# Altium PCB ESC.PcbDoc (part 2 of 3) (continued)
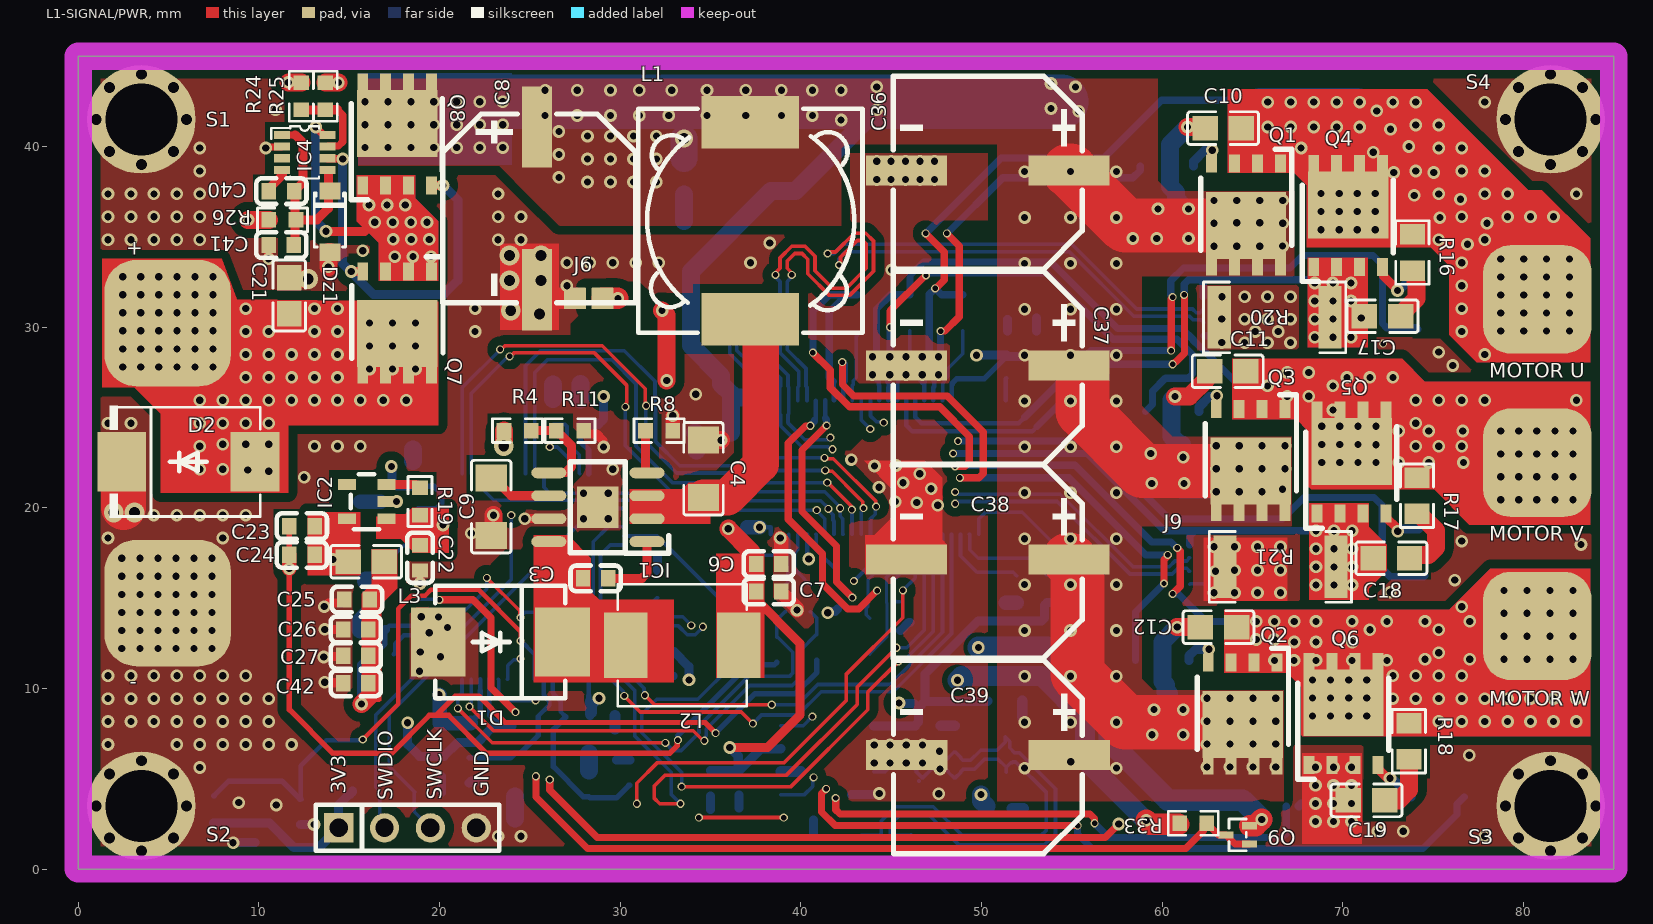
[diagram p0: L1-SIGNAL/PWR view]
## Nets (pads, with @x,y where several pads share a name; then routed paths per layer and width w, separated by ;. In a path a pad name is that pad's centre, name@x,y a point inside that pad or via, vN(x,y) a via of type N, cw(c..) or ccw(c..) an arc to the next point about the centre after c; other vN are vias at no path point) (continued)
  other v2: 78.74,20.448 79.74,20.448 80.74,20.448 81.74,20.448 82.74,20.448 78.74,21.718 79.74,21.718 80.74,21.718 81.74,21.718 82.74,21.718 78.74,22.988 79.74,22.988 80.74,22.988 81.74,22.988 82.74,22.988 78.74,24.258 79.74,24.258 80.74,24.258 81.74,24.258 82.74,24.258
  other v3: 68.834,22.511 69.834,22.511 70.834,22.511 71.834,22.511 71.834,23.495 68.834,23.511 69.834,23.511 70.834,23.511 68.834,24.511 69.834,24.511 70.834,24.511 71.834,24.511
SH_C: "MOTOR W.1" C12.1 C20.2 IC3.36 Q2.1 Q2.2 Q2.3 Q6.5 Q6.6 Q6.7 Q6.8 Q6.9 R18.2 | length 63.1
  L1-SIGNAL/PWR w0.4: v4(40.666,28.592) 41.633,27.625 41.633,26.646 42.689,25.59 47.689,25.59 49.324,23.955 49.324,22.523 49.09,22.288 v4@48.548,22.288 ; v4(60.579,15.24) 61.005,15.666 61.005,17.595 60.833,17.766 v4(60.833,17.78)
  L4-SIGNAL/PWR w0.2: v4(60.579,15.24) v4@60.591,15.228
  L4-SIGNAL/PWR w0.25: 41.799,26.998 41.833,26.963 41.833,25.949 IC3.36@41.839,25.943
  L4-SIGNAL/PWR w0.4: v4(40.666,28.592) 40.666,30.887 41.573,31.794 C20.2@42.525,31.794 ; 41.799,26.998 41.573,27.224 41.573,30.841 C20.2@42.525,31.794 ; C20.2@43.116,31.794 43.116,31.803 43.107,31.794 C20.2@42.525,31.794 ; v4(48.535,22.288) 48.548,22.288 48.612,22.352 55.181,22.352 59.424,18.109 60.49,18.109 60.819,17.78 v4(60.833,17.78) ; v4@60.591,15.228 60.909,15.228 62.42,13.716 v1(65.215,13.716)
  L4-SIGNAL/PWR w3: v1@65.977,12.573 80.613,12.573 81.47,13.43
  other v1: 75.311,8.17 76.581,8.17 77.851,8.17 79.121,8.17 80.391,8.17 81.661,8.17 82.931,8.17 72.771,9.44 74.041,9.44 75.311,9.44 76.581,9.44 77.851,9.44 79.121,9.44 80.391,9.44 81.661,9.44 82.931,9.44 72.771,10.71 74.041,10.71 75.311,10.71 76.581,10.71 66.215,11.557 67.297,11.557 68.516,11.557 70.517,11.557 72.44,11.557 74.549,11.62 77.025,11.62 75.311,11.98 67.31,12.573 68.516,12.573 70.517,12.573 65.215,12.716 66.215,12.716 71.501,13.25 75.311,13.25 66.215,13.716 67.31,13.716 68.516,13.716 70.517,13.716 72.44,13.716 74.549,13.716 77.025,13.716 76.581,14.52
  other v2: 78.93,11.62 80.2,11.62 81.47,11.62 82.74,11.62 78.93,12.89 80.2,12.89 81.47,12.89 82.74,12.89 78.93,14.16 80.2,14.16 81.47,14.16 82.74,14.16 78.93,15.43 80.2,15.43 81.47,15.43 82.74,15.43
  other v3: 68.326,8.477 69.326,8.477 70.326,8.477 71.326,8.477 68.326,9.477 69.326,9.477 70.326,9.477 71.326,9.477 68.326,10.477 69.326,10.477 70.326,10.477 71.326,10.477
SL_A: C17.1 IC3.44 J8.2 Q4.1 Q4.2 Q4.3 R20.2 | length 31
  L1-SIGNAL/PWR w0.4: v4(60.579,27.951) 60.593,27.951 60.721,28.079 60.758,28.079 61.237,28.558 61.237,31.729 61.227,31.739 61.227,31.779 v4(61.218,31.789)
  L4-SIGNAL/PWR w0.2: J8.2@62.271,31.668 J8.2@62.275,31.673
  L4-SIGNAL/PWR w0.25: IC3.44@45.839,25.943 45.839,24.565 46.157,24.246 52.821,24.246 53.075,24.5
  L4-SIGNAL/PWR w0.4: 53.075,24.5 56.526,27.951 v4(60.579,27.951) ; v4@61.218,31.803 61.218,32.385 61.46,32.627 62.106,32.627 ; J8.2@62.275,31.673 62.275,32.458 62.106,32.627 ; v1(68.453,32.448) 68.372,32.448 68.193,32.627 62.106,32.627
  other v1: 68.453,29.449 70.453,29.449 68.453,30.448 68.453,31.448 70.453,31.448 69.453,32.448 70.453,32.448
  other v2: 71.025,30.512
  other v3: 69.453,29.449 69.453,30.448 69.453,31.448
SL_B: C18.1 IC3.39 J9.2 Q5.1 Q5.2 Q5.3 R21.2 | length 29.6
  L2-PWR w0.4: v4(43.841,24.366) 43.854,24.366 44.127,24.094 47.343,24.094 v4@48.417,23.02
  L4-SIGNAL/PWR w0.2: IC3.39@43.339,25.943 43.354,25.928 43.354,24.853 v4(43.841,24.366)
  L4-SIGNAL/PWR w0.4: v4(48.426,23.01) 55.857,23.01 60.135,18.732 61.806,18.732 62.045,18.732 ; J9.2@61.531,17.945 61.531,18.438 61.806,18.713 ; 62.065,18.732 v1(68.516,18.732)
  other v1: 68.516,15.733 70.517,15.733 68.516,16.732 68.516,17.732 69.517,18.732 70.517,18.732
  other v3: 69.517,15.733 69.517,16.732 70.517,16.732 69.517,17.732 70.517,17.732
SL_C: IC3.34 J7.1 | length 56.1
  L1-SIGNAL/PWR w0.4: v4(40.525,24.545) 40.515,24.535 40.257,24.535 39.306,23.585 39.306,19.362 41.192,17.476 41.192,15.807 42.592,14.407 43.206,14.407 v4(44.221,15.422) ; v4(41.927,3.937) 41.934,3.93 41.934,3.282 42.168,3.048 56.002,3.048 56.251,2.798 56.251,2.55 v4(56.261,2.54)
  L2-PWR w0.4: v4(41.927,3.937) 41.927,4.005 42.608,4.686 42.608,13.242 42.895,13.529 42.895,14.096 v4(44.221,15.422)
  L4-SIGNAL/PWR w0.25: 40.758,24.853 40.833,24.928 IC3.34@40.833,25.937
  L4-SIGNAL/PWR w0.4: v4(40.525,24.545) 40.525,24.559 40.758,24.791 40.758,24.853 ; v4(56.261,2.54) 57.051,1.75 66.631,1.75 66.865,1.984 J7.1@66.865,3.492
SO1: C32.2 R22.2 U1.14 | length 26.6
  L1-SIGNAL/PWR w0.2: v4(21.66,8.998) 22.993,7.666 34.039,7.666 34.596,7.109 v4(34.663,7.109)
  L4-SIGNAL/PWR w0.2: v4(21.66,8.998) 21.66,9.066 21.761,9.167 U1.14@21.761,10.514 ; v4(34.663,7.109) 34.711,7.157 34.711,7.334 34.76,7.383 34.76,7.755 37.171,10.165 39.529,10.165 39.96,10.597 39.96,12.091 40.841,12.972 C32.2@40.891,12.972 40.891,13.892 40.542,14.242 R22.2@40.513,14.242
SO2: C33.2 R23.2 U1.15 | length 27.2
  L1-SIGNAL/PWR w0.2: v4(21.018,8.898) 22.925,6.991 v4(32.505,6.991)
  L4-SIGNAL/PWR w0.2: v4(21.018,8.898) 21.006,8.91 21.006,9.523 21.242,9.759 21.242,10.495 U1.15@21.261,10.514 ; v4(32.505,6.991) 32.926,6.57 33.381,6.57 34.36,7.549 34.36,7.921 37.107,10.668 39.37,10.668 39.56,10.858 39.56,12.003 38.719,12.845 C33.2@38.669,12.845 38.669,13.76 38.818,13.91 38.818,13.938 39.121,14.242 R23.2@39.15,14.242
TEMP: Q9.1 Q9.3 R33.1 U1.22 | length 57.4
  L1-SIGNAL/PWR w0.4: v4(19.993,14.908) 21.858,14.908 22.851,13.915 22.851,10.043 v4(24.204,8.691) ; v4(25.336,5.143) 25.336,4 28.187,1.15 61.305,1.15 62.272,2.117 62.272,2.498 62.285,2.511 R33.1@62.475,2.511 ; R33.1@62.475,2.54 R33.1@62.475,2.511 ; Q9.1@64.834,1.397 64.034,1.397 Q9.3@63.534,1.897 63.118,1.897 62.707,2.308 62.678,2.308 R33.1@62.475,2.511
  L2-PWR w0.4: v4(24.204,8.691) 24.204,8.624 24.329,8.499 24.329,8.492 25.336,7.484 v4(25.336,5.143)
  L4-SIGNAL/PWR w0.2: U1.22@18.811,14.964 18.83,14.945 19.956,14.945 v4(19.993,14.908)
TX: IC5.1 U1.62 | length 21.9
  L2-PWR w0.2: v4(34.581,13.416) 34.598,13.399 40.196,13.399 41.278,12.316 41.278,5.655 v4(40.703,5.08)
  L4-SIGNAL/PWR w0.2: U1.62@30.211,13.464 33.224,13.464 33.72,12.968 34.151,12.968 34.581,13.397 v4(34.581,13.416) ; IC5.1@38.895,4.128 40.202,4.128 40.656,4.581 40.656,5.032 v4(40.703,5.08)
V_5V: C6.2 C7.2 C22.2 C48.2 C49.2 IC2.1 IC5.3 L2.2 R4.2 R19.2 | length 47.3
  L1-SIGNAL/PWR w0.5: IC2.1@17.067,19.399 18.695,19.399 18.891,19.596 R19.2@18.92,19.596 ; v1(36.068,6.731) 38.149,6.731 39.965,8.547 39.965,12.489 C7.2@37.274,15.18
  L1-SIGNAL/PWR w1: v10(23.558,23.431) 23.567,23.44 R4.2@23.567,24.272 ; v1(35.985,18.845) 37.274,17.556 37.274,16.891 C7.2@37.274,15.18
  L2-PWR w1: v1(20.193,19.05) 20.574,19.05 23.558,22.034 v10(23.558,23.431) 23.586,23.431 24.602,24.447 32.004,24.447 35.941,20.511 35.941,18.889 v1(35.985,18.845)
  L4-SIGNAL/PWR w0.5: C49.2@34.988,5.462 36.498,5.462 36.598,5.462 37.786,6.651 38.879,6.651 IC5.3@38.895,6.668 ; v1(36.068,6.731) 36.536,6.263 C48.2@36.536,5.5
VDD_SPI: 3V3.1 C1.2 C2.2 C25.2 C26.2 C27.2 C42.2 C43.2 C44.2 C45.2 C46.2 C47.2 C50.2 D3.2 D4.1 IC3.49 IC5.5 L3.2 R9.2 R10.1 R27.2 R32.2 U1.1 U1.19 U1.32 U1.48 U1.64 | length 210
  L1-SIGNAL/PWR w1: v1(15.684,9.144) 16.192,9.652 C27.2@16.192,11.901 ; v1(32.322,30.924) 32.575,30.67 v1(32.575,27.051)
  L2-PWR w0.5: 17.335,21.528 v1(17.335,22.288) ; v1(28.829,9.461) 28.829,10.096 ; v1(29.083,26.162) 29.083,27.051 ; 33.782,11.684 33.782,10.502 v1(33.807,10.477)
  L2-PWR w0.7: 28.829,10.096 28.829,10.668
  L2-PWR w0.9: 28.765,11.684 28.829,11.62 28.829,10.668
  L2-PWR w1: 3V3.1@14.414,2.286 14.414,4.445 ; v1(15.684,9.144) 15.367,9.144 14.414,8.191 ; 28.765,11.684 33.782,11.684 38.975,11.684 39.56,11.098 39.56,5.588 35.422,1.45 ; v1(32.322,30.924) 48.069,30.924 49.721,29.273 v1(49.721,28.448) ; v1(32.575,27.051) 29.083,27.051 24,27.051 18.348,21.399 14.097,21.399 10.16,17.462 10.16,12.128 14.256,8.033 14.414,8.191 ; v1(45.436,9.2) 46.057,9.2 47.686,7.571 48.803,7.571 49.974,6.399 v1(49.974,4.127) 49.974,3.888 47.537,1.45 35.422,1.45 ; 14.414,4.445 23.614,4.445 26.609,1.45 35.422,1.45 ; 14.414,4.445 14.414,8.191
  L4-SIGNAL/PWR w0.25: C47.2@17.019,13.272 17.212,13.464 U1.19@18.811,13.464 ; 28.258,9.588 28.258,10.511 U1.1@28.261,10.514 ; U1.64@30.211,12.464 31.115,12.464 ; IC3.49@48.339,25.943 48.345,25.949 48.345,26.807 48.387,26.849
  L4-SIGNAL/PWR w0.3: C46.2@18.542,21.191 19.703,21.191 20.13,20.765 20.13,20.256 19.837,19.964 U1.32@18.811,19.964 ; C45.2@27.812,24.613 27.812,23.651 28.261,23.202 U1.48@28.261,21.891 ; 28.258,9.335 28.258,9.588 ; C44.2@32.065,12.063 C44.2@32.085,12.083 ; 48.387,26.849 48.387,26.901 48.636,27.151 50.164,27.151 51.396,28.383 C1.2@51.446,28.383
  L4-SIGNAL/PWR w0.4: 28.258,9.335 28.258,8.571 C43.2@28.32,8.509 ; 31.115,12.464 31.654,12.464 32.055,12.063 C44.2@32.065,12.063
  L4-SIGNAL/PWR w0.5: R27.2@7.493,2.558 10.583,2.558 11.94,1.2 13.329,1.2 3V3.1@14.414,2.286 14.42,2.292 14.42,3.553 15.003,4.136 15.032,4.136 15.185,4.289 R32.2@15.185,4.318 ; v1(15.684,9.144) 15.684,11.303 16.881,12.499 16.881,13.133 C47.2@17.019,13.272 ; v1(17.335,22.288) 17.359,22.265 17.359,21.505 17.652,21.212 18.521,21.212 C46.2@18.542,21.191 ; C45.2@27.812,24.613 28.002,24.613 28.012,24.622 28.79,24.622 29.083,24.915 v1(29.083,26.162) ; C43.2@28.32,8.509 28.47,8.659 28.47,9.102 v1(28.829,9.461) ; C44.2@32.085,12.083 32.114,12.054 32.967,12.054 33.807,11.215 v1(33.807,10.477) ; IC5.5@44.036,7.938 C50.2@46.354,7.937 46.354,7.987 46.504,8.137 46.504,8.93 ; v1(45.436,9.2) 45.474,9.161 46.272,9.161 46.504,8.93 ; 46.711,9.137 46.504,8.93 ; v1(49.721,28.448) 51.382,28.448 C1.2@51.446,28.383 C2.2@53.054,28.383 ; D4.1@50.359,9.313 50.338,9.292 46.884,9.292 46.884,10.812 49.82,13.748 53.326,13.748 53.476,13.898 53.476,14.602 53.63,14.755 R9.2@53.658,14.755 R10.1@55.182,14.755
  L4-SIGNAL/PWR w1: v1(49.974,4.127) 49.974,3.78 D3.2@50.27,3.485
pads on no net: IC2.4 IC3.1 IC3.2 IC3.3 IC3.4 IC3.50 IC3.51 IC3.52 IC3.53 IC3.54 IC3.56 IC4.3 U1.2 U1.3 U1.4 U1.8 U1.9 U1.16 U1.17 U1.21 U1.23 U1.24 U1.25 U1.26 U1.27 U1.29 U1.30 U1.33 U1.37 U1.38 U1.39 U1.40 U1.44 U1.45 U1.50 U1.54 U1.55 U1.56 U1.57 U1.58 U1.59 U1.63

## Polygon pours and split planes (outlines as drawn)
GND on L1-SIGNAL/PWR "GND_L01_P006" (solid, pour order 6): 0,45 85,45 85,0 0,0
POWER_LOAD on L1-SIGNAL/PWR "POWER_LOAD_L01_P003" (solid, pour order 3): 15.494,38.925 15.494,44.069 59.755,44.069 59.755,38.098 60.325,37.529 67.31,37.529 67.31,32.829 58.864,32.829 58.864,25.654 60.579,23.939 67.183,23.939 67.183,18.986 58.864,18.986 58.864,10.541 59.499,9.906 66.739,9.906 66.739,3.746 50.863,3.746 50.863,40.132 42.481,40.132 42.227,39.878 42.227,35.623 26.607,35.623 23.304,38.925
GND on L1-SIGNAL/PWR "GND_L01_P007" (solid, pour order 7): 62.452,32.385 62.452,28.829 67.12,28.829 67.31,29.019 67.31,32.194 67.12,32.385
GND on L2-PWR "GND_L02_P004" (solid, pour order 4): 0,45 85,45 85,0 0,0
POWER_LOAD on L2-PWR "POWER_LOAD_L02_P000" (solid, pour order 0): 15.494,38.925 15.494,44.069 59.817,44.069 59.817,38.036 60.325,37.529 67.31,37.529 67.31,32.627 59.753,32.627 59.753,24.765 60.579,23.939 67.183,23.939 67.183,18.859 59.499,18.859 59.499,9.906 66.739,9.906 66.739,3.492 51.371,3.492 51.371,35.814 26.416,35.814 23.304,38.925
GND on L4-SIGNAL/PWR "GND_L04_P005" (solid, pour order 5): 0,45 85,45 85,0 0,0
GND on L3-GND (split plane): 84.49,0.51 0.51,0.51 0.51,44.49 84.49,44.49

## Keep-outs
Keep-Out Layer:
  the board outline again, w1.5

## Other copper
L1-SIGNAL/PWR:
  region net SL_B: 71.438,15.524 72.44,16.526 72.44,17.962 71.438,18.965 71.438,20.256
  region net SL_B: 68.135,20.256 68.135,14.922 71.438,14.922 71.438,20.256
  pour cut-out: 19.861,10.506 18.443,10.506 18.321,10.383 18.321,8.979 18.52,8.779 18.755,8.779 19.861,9.886
  pour cut-out: 30.732,16.853 30.183,17.402 30.183,18.753 27.763,18.753 27.684,18.674 27.684,18.257 29.088,16.853
  pour cut-out: 42.68,17.894 42.68,19.038 42.418,19.3 41.898,19.3 41.766,19.168 41.766,18.807
  pour cut-out: 31.06,32.555 31.817,31.798 31.567,31.548 31.567,27.496 31.502,27.431 29.395,27.431 27.239,29.587 27.239,30.195 29.599,32.555
  pour cut-out: 24.7,15.351 24.7,17.697 23.639,17.697 22.899,16.956 24.543,15.312 24.543,15.286 24.635,15.286
  pour cut-out: 48.82,19.553 50.339,19.553 50.354,19.568 50.354,20.965 49.271,20.965 48.82,20.513
  pour cut-out: 45.518,29.554 46.852,29.554 48.062,30.764 48.062,31.505 46.537,31.505 45.518,30.486
  pour cut-out: 48.255,27.038 50.197,25.097 50.289,25.097 50.354,25.162 50.354,35.915 48.18,35.915 48.255,35.839
  pour cut-out: 34.133,31.881 34.141,31.899 32.583,31.899 32.583,29.514 33.584,28.513 34.133,28.513
  pour cut-out: 39.29,24.788 40.407,24.788 40.951,25.332 40.927,25.356 40.927,27.51 39.924,28.513 39.29,28.513
  pour cut-out: 42.476,23.151 42.76,23.151 43.396,23.786 43.396,24.595 41.527,26.464 40.951,26.464 40.951,25.143 40.968,25.126 40.968,24.659
  pour cut-out: 13.867,20.275 16.495,20.275 16.563,20.343 16.563,21.962 16.426,22.099 13.867,22.099
  pour cut-out: 61.747,10.436 59.69,10.436 59.374,10.752 59.374,15.282 59.711,15.282 61.747,13.246
  pour cut-out: 59.374,32.32 59.965,32.32 60.035,32.249 60.035,25.739 59.888,25.592 59.647,25.592 59.374,25.865
  pour cut-out: 61.938,38.058 60.516,38.058 59.755,38.819 59.755,43.739 63.258,43.739 63.258,42.337 61.938,41.017
  pour cut-out: 73.833,29.368 75.384,29.368 75.412,29.396 75.375,29.432 75.375,31.117 74.956,31.117 73.833,29.993 73.833,29.949
  pour cut-out: 74.938,31.117 75.375,31.117 75.353,31.139 75.353,33.22 74.978,33.22 74.943,33.185 74.943,31.108
  pour cut-out: 43.206,13.701 43.206,13.362 43.705,12.863 45.017,14.175 45.037,14.175 45.037,14.633 44.747,14.923 43.525,13.701
  pour cut-out: 34.036,3.492 34.036,3.832 34.211,4.007 39.717,4.007 40.638,3.087 40.638,2.456 39.833,2.456 39.833,2.707 39.047,3.492 34.039,3.492
  pour cut-out: 26.449,5.588 26.494,5.633 26.494,5.758 30.833,5.758 32.062,4.529 32.062,2.456 29.022,2.456 26.449,5.03
  pour cut-out: 40.703,13.864 40.703,13.636 40.33,13.264 40.64,12.954 40.64,8.158 43.815,11.333 43.815,13.793 40.774,13.793
  pour cut-out: 35.008,18.604 34.796,16.605 34.796,14.232 33.491,14.232 33.427,14.296 33.427,15.118 32.152,15.118 31.837,15.432 32.245,15.84 32.245,18.604
  pour cut-out: 33.465,12.383 33.477,12.395 34.796,12.395 34.796,10.725 34.184,10.725 33.466,11.442 33.466,12.395
  pour cut-out: 38.408,10.355 38.483,10.43 38.483,12.679 38.705,12.679 39.209,12.176 39.209,10.16 38.602,10.16
  pour cut-out: 34.483,9.711 39.254,9.711 39.254,10.165 34.631,10.271 34.631,9.86
  pour cut-out: 23.685,10.033 25.199,10.033 24.631,9.465 24.239,9.465 23.66,10.043
  region net GND: 62.293,18.351 66.929,18.351 66.929,14.859 62.293,14.859
  region net GND: 23.368,34.608 26.607,34.608 26.607,29.845 23.356,29.845 23.356,34.596
  region net GND: 43.497,22.606 46.863,22.606 47.816,21.653 47.816,18.224 48.069,17.97 48.069,16.319 43.561,16.319 43.561,18.479 44.069,18.479 45.148,19.558 45.148,20.955
  region net VDD_SPI: 16.256,17.716 16.256,15.811 15.684,15.24 15.684,9.271 16.7,9.271 16.764,9.335 16.764,14.668 17.653,15.557 17.653,17.716
  region net A3V3: 15.621,19.748 12.7,19.748 12.7,16.256 15.621,16.256
  region net V_5V: 16.51,19.494 17.97,19.494 18.479,20.002 20.511,20.002 20.511,17.526 18.605,17.526 17.843,18.288 16.51,18.288
  region net V_5V: 35.306,10.604 37.973,10.604 37.973,17.462 35.306,17.462 35.306,14.287
  region net POWER_BUCK: 30.543,19.113 30.543,21.018 33.401,21.018 33.782,21.399 34.989,21.399 34.989,19.113
  region net NetC3_1: 25.209,18.479 25.209,10.351 32.956,10.351 32.956,14.922 28.829,14.922 28.384,15.367 28.384,17.209 27.114,18.479
  region net SH_B: 63.881,24.892 63.881,28.258 73.279,28.258 74.549,26.987 83.693,26.987 83.693,19.07 77.005,19.07 75.057,21.018 68.262,21.018 68.072,21.209 68.072,24.257 67.437,24.892
  region net SL_A: 68.072,33.846 68.072,28.892 71.374,28.892 71.374,33.846
  region net GND: 67.754,6.413 67.754,1.397 71.056,1.397 71.056,6.413
  region net V_5V: 19.367,20.002 18.479,20.002 18.479,17.526 19.367,17.526
  region net POWER_IN: 1.333,26.67 3.111,26.67 4.572,25.209 4.572,20.828 11.632,20.828 11.632,24.575 19.939,24.575 19.939,31.414 8.767,31.558 7.941,33.782 1.333,33.782
  region net NetIC4_8: 15.43,38.417 15.43,35.877 16.637,34.671 16.637,32.575 19.939,32.575 19.939,35.877 19.748,36.068 18.669,37.148 18.669,38.417
  region net SH_C: 63.436,10.858 63.436,14.351 75.882,14.351 78.168,16.637 83.693,16.637 83.693,7.366 67.754,7.366 67.691,7.429 67.691,10.096 66.929,10.858
  region net SH_A: 63.627,38.544 63.627,43.18 74.676,43.18 80.264,37.592 81.026,37.592 83.693,34.925 83.693,28.067 77.406,28.067 75.882,29.591 75.882,33.401 74.867,34.417 68.008,34.417 68.008,37.846 67.31,38.544
L2-PWR:
  pour cut-out: 39.86,18.254 40.921,19.315 40.921,23.74 40.08,24.582 39.59,24.582 39.59,18.523
  pour cut-out: 30.739,28.06 23.812,28.06 23.812,29.331 25.041,29.92 29.089,29.92
  pour cut-out: 22.599,28.902 20.576,28.902 20.576,25.275 20.641,25.21 20.733,25.21 23.3,27.777 23.3,28.201
  pour cut-out: 46.539,31.933 46.539,34.423 47.419,35.304 50.862,35.304 50.862,29.56 48.912,29.56
  pour cut-out: 16.487,22.408 16.486,22.41 16.486,24.065 19.365,24.065 19.43,24 19.43,23.908 17.931,22.408
  pour cut-out: 48.403,29.165 48.255,29.017 48.255,27.051 49.781,25.525 50.692,25.525 50.692,26.876
  pour cut-out: 43.37,29.909 43.37,27.196 39.402,27.196 36.852,29.746 36.852,29.82 36.96,29.928 36.972,29.916 43.354,29.916
  pour cut-out: 19.194,7.803 19.194,8.654 20.605,8.654 21.131,8.128 21.131,7.968 20.353,7.19 19.806,7.19
  pour cut-out: 18.542,10.604 19.353,10.604 19.389,10.641 19.389,9.546 18.896,9.053 18.848,9.053 18.534,9.367 18.534,10.597
  pour cut-out: 14.863,10.017 14.811,10.069 14.811,14.575 16.241,14.575 16.353,14.463 16.353,10.084 16.287,10.017
  pour cut-out: 12.387,14.575 12.338,14.526 12.338,11.415 12.3,11.415 11.169,12.546 11.169,15.112 11.85,15.112
  pour cut-out: 12.756,16.924 11.99,17.69 11.99,17.866 14.549,20.425 18.8,20.425 24.418,26.042 28.235,26.042 28.346,25.931 28.346,25.456 25.554,25.456 19.329,19.231 19.329,18.254 14.086,18.254
  pour cut-out: 48.462,3.806 48.462,2.459 42.824,2.459 44.172,3.806
  pour cut-out: 45.628,8.191 44.003,8.191 43.97,8.158 43.97,13.008 45.396,14.434 45.536,14.434 45.628,14.343
  pour cut-out: 32.014,2.459 32.079,2.524 32.079,2.616 27.855,6.84 26.952,6.84 26.952,2.859 27.352,2.459
  pour cut-out: 21.912,5.611 23.526,7.225 24.005,6.746 24.005,5.565 23.893,5.453 21.977,5.453 21.912,5.519
  pour cut-out: 18.183,5.454 18.248,5.519 18.248,6.568 16.501,8.315 15.423,7.237 15.423,5.454
  pour cut-out: 27.829,12.357 25.16,12.357 25.16,11.265 33.736,2.689 35.235,2.689 38.552,6.006 38.552,10.675 29.51,10.675
  pour cut-out: 25.141,14.535 39.868,14.535 40.227,14.177 38.407,12.357 25.16,12.357 25.16,14.517
  pour cut-out: 35.051,22.563 37.459,22.563 37.459,20.235 37.107,19.882 35.051,21.938
  pour cut-out: 23.295,19.876 23.064,20.107 23.064,21.484 25.019,23.439 25.374,23.439 25.487,23.326 25.487,21.977 23.386,19.876
  pour cut-out: 47.616,1.261 47.616,2.165 48.753,3.302 55.881,3.302 57.752,1.431 57.752,1.318 57.695,1.261
  pour cut-out: 60.009,14.564 60.405,14.96 63.103,14.96 63.241,14.822 63.017,14.598 63.017,10.507 62.927,10.416 60.009,10.416
  pour cut-out: 61.158,28.396 63.403,28.396 63.41,28.389 63.371,28.35 63.371,24.449 60.79,24.449 60.263,24.976 60.263,27.5 61.159,28.396
  pour cut-out: 61.938,38.058 60.516,38.058 59.755,38.819 59.755,43.739 63.258,43.739 63.258,42.337 61.938,41.017
  pour cut-out: 71.884,29.368 75.384,29.368 75.384,33.115 74.592,33.907 71.934,33.907 71.934,33.896 71.884,33.845
  region net SL_A: 68.072,33.846 68.072,28.892 71.374,28.892 71.374,33.846
  region net SH_A: 63.627,38.544 63.627,43.18 74.676,43.18 80.264,37.592 81.026,37.592 83.693,34.925 83.693,28.067 77.406,28.067 75.882,29.591 75.882,33.337 74.803,34.417 68.008,34.417 68.008,37.846 67.31,38.544
  region net POWER_IN: 1.333,26.67 3.332,26.67 4.847,25.155 4.847,20.955 11.62,20.955 11.62,24.575 20.066,24.575 20.066,31.432 10.351,31.432 8.001,33.782 1.333,33.782
  region net NetIC4_8: 15.43,38.354 15.43,35.814 16.637,34.608 16.637,32.512 19.939,32.512 19.939,35.814 19.748,36.004 18.669,37.084 18.669,38.354
  region net SL_B: 68.135,20.256 68.135,14.922 71.438,14.922 71.438,20.256
  region net SH_C: 63.436,10.858 63.436,14.351 75.882,14.351 78.168,16.637 83.693,16.637 83.693,7.366 67.754,7.366 67.691,7.429 67.691,10.096 66.929,10.858
  region net SH_B: 63.881,24.892 63.881,28.194 73.343,28.194 74.549,26.987 83.693,26.987 83.693,19.113 76.962,19.113 74.93,21.145 68.135,21.145 68.072,21.209 68.072,24.257 67.437,24.892
L4-SIGNAL/PWR:
  pour cut-out: 45.005,4.02 45.005,4.545 45.425,4.965 45.805,4.965 45.805,4.17 45.655,4.02
  pour cut-out: 47.602,4 47.602,4.142 47.631,4.171 49.125,4.171 49.57,3.725 49.57,2.473 49.129,2.473
  pour cut-out: 35.941,36.764 35.941,40.446 35.967,40.472 41.427,40.472 41.492,40.407 41.492,40.315 37.876,36.699 36.006,36.699
  pour cut-out: 34.703,35.306 35.917,36.52 35.941,36.52 35.941,40.408 35.877,40.472 34.808,40.472 34.703,40.366
  pour cut-out: 13.716,31.597 14.522,32.403 14.673,32.403 14.785,32.291 14.091,31.597
  pour cut-out: 10.121,31.142 12.231,31.142 12.324,31.049 12.324,29.372 12.199,29.247 11.423,29.247 10.028,30.642 10.028,31.049
  pour cut-out: 24.198,38.518 24.314,38.402 25.757,38.402 25.832,38.478 25.832,40.472 24.513,40.472 24.198,40.157
  pour cut-out: 49.016,14.105 48.951,14.17 48.951,16.155 49.016,16.22 50.617,16.22 51.493,15.344 52.726,15.344 52.726,14.511 52.321,14.105
  pour cut-out: 42.78,33.084 42.78,33.487 42.867,33.573 45.535,33.573 45.535,33.217 45.358,33.041 45.358,32.999 44.629,32.269 44.357,32.269 44.292,32.334 43.53,32.334
  pour cut-out: 14.892,8.816 14.892,7.756 15.303,7.756 15.356,7.809 15.356,8.352
  pour cut-out: 18.724,11.652 18.724,11.744 18.485,11.982 17.434,11.982 16.441,10.99 16.441,9.609 16.498,9.552 16.624,9.552
  pour cut-out: 22.373,23.72 23.126,24.473 24.149,24.473 24.149,27.567 24.046,27.671 23.964,27.671 22.373,26.08
  pour cut-out: 21.818,11.829 21.818,11.943 23.609,13.734 23.997,13.346 23.997,12.293 23.456,11.752 21.895,11.752
  pour cut-out: 21.043,18.938 21.043,18.962 22.314,20.233 21.909,20.638 20.785,20.638 20.715,20.568 20.715,19.266
  pour cut-out: 20.18,18.191 23.3,18.191 23.359,18.132 23.359,16.788 21.269,14.698 20.939,14.698 20.053,15.585 20.053,18.064
  pour cut-out: 24.781,19.803 27.726,19.803 27.791,19.738 27.791,19.646 24.74,16.595 24.648,16.595 24.583,16.66 24.583,19.604
  pour cut-out: 25.936,11.786 27.161,11.786 27.204,11.829 27.204,11.942 25.531,13.616 25.142,13.616 24.972,13.445 24.972,12.75
  pour cut-out: 25.187,15.09 25.187,15.182 25.122,15.247 27.719,17.843 27.858,17.843 27.9,17.802 27.9,13.199 27.835,13.134 27.143,13.134
  pour cut-out: 33.167,14.733 33.232,14.668 33.167,14.733 33.945,15.512 34.106,15.512 35.52,14.098 35.52,11.443 34.818,10.741 34.768,10.741 33.892,11.617 33.957,12.356 33.167,13.146
  pour cut-out: 33.01,16.522 33.027,16.539 33.922,15.645 33.936,15.645 33.936,15.502 33.01,14.576
  pour cut-out: 41.841,13.411 41.943,13.512 42.639,13.512 42.64,13.513 42.64,10.835 41.841,10.835
  pour cut-out: 37.343,24.855 37.437,24.949 37.913,24.949 38.994,23.868 38.994,23.473 38.929,23.408 37.408,23.408 37.343,23.473
  pour cut-out: 31.455,19.051 31.455,19.443 31.619,19.607 31.964,19.263 35.53,19.263 38.218,16.575 38.218,12.458 37.719,11.959 36.825,11.959 36.697,12.087 36.697,14.585 35.921,14.585
  pour cut-out: 31.115,6.207 32.629,4.694 32.629,3.463 31.711,3.463 31.115,4.059 31.115,5.534
  pour cut-out: 19.517,5.187 19.517,5.454 18.183,5.454 18.183,5.187
  pour cut-out: 13.67,3.596 13.269,3.596 12.956,3.909 12.956,5.451 14.005,6.5 15.922,6.5 16.08,6.342 16.08,5.25 14.282,5.25 14.282,4.208
  pour cut-out: 40.024,5.974 40.915,5.974 42.372,4.517 42.686,4.831 42.741,4.831 42.741,6.931 44.548,8.738 44.548,9.079 44.415,9.212 41.382,9.212 40.024,7.854
  pour cut-out: 49.276,38.544 49.276,40.443 49.248,40.472 52.515,43.739 63.258,43.739 63.258,43.389 58.417,38.548 49.28,38.548
  pour cut-out: 49.313,35.197 49.313,35.289 49.248,35.354 51.463,37.569 59.31,37.569 59.316,37.575 59.771,37.12 59.771,31.726 59.665,31.619 58.775,31.619 55.197,35.197
  pour cut-out: 59.329,6.375 59.329,6.475 59.43,6.576 61.21,6.576 61.774,6.012 61.774,4.919 60.785,4.919
  pour cut-out: 57.45,10.136 57.52,10.206 59.022,10.206 59.131,10.097 59.131,6.9 59.006,6.775 58.929,6.775 57.45,8.254
  pour cut-out: 53.289,19.677 53.354,19.742 54.777,19.742 58.794,15.725 57.425,14.355 57.425,10.302 57.355,10.231 57.255,10.231 57.255,10.27 54.082,13.442 54.082,13.997 53.289,14.79
  pour cut-out: 74.872,2.821 74.943,2.751 75.042,2.751 75.623,3.331 75.623,5.351 74.872,5.351
  pour cut-out: 72.665,2.65 72.665,1.873 72.648,1.856 74.148,1.856 74.772,2.48 74.772,2.58 74.701,2.65
  pour cut-out: 67.086,5.323 67.086,4.164 67.096,4.155 66.727,3.786 66.032,3.786 65.181,4.638 65.628,5.084 65.659,5.084 65.898,5.323
  pour cut-out: 75.9,18.092 75.9,17.341 73.644,17.341 73.198,16.896 73.161,16.934 72.885,16.934 72.885,17.813 73.163,18.092
  pour cut-out: 75.9,20.294 76.011,20.406 76.011,20.423 75.163,21.271 72.251,21.271 72.251,20.362 73.034,19.578 75.174,19.578 75.895,20.299
  region net SL_A: 68.072,33.274 68.072,28.892 71.374,28.892 71.374,33.274
  region net SH_B: 63.881,24.892 63.881,27.94 73.596,27.94 74.549,26.987 83.693,26.987 83.693,19.177 77.978,19.177 75.374,21.78 68.072,21.78 68.072,24.257 67.437,24.892
  region net POWER_LOAD: 15.494,44.069 15.494,38.989 24.003,38.989 24.003,44.069
  region net NetIC4_8: 15.43,38.417 15.43,35.877 16.637,34.671 16.637,32.575 19.939,32.575 19.939,35.877 19.748,36.068 18.669,37.148 18.669,38.417
  region net SL_B: 68.135,19.875 68.135,14.922 71.438,14.922 71.438,19.875
  region net SH_C: 63.436,10.858 63.436,14.351 75.882,14.351 78.168,16.637 83.693,16.637 83.693,7.366 67.754,7.366 67.691,7.429 67.691,10.096 66.929,10.858
  region net SH_A: 63.627,38.544 63.627,43.18 74.676,43.18 80.264,37.592 81.026,37.592 83.693,34.925 83.693,28.067 77.406,28.067 75.882,29.591 75.882,33.465 74.532,34.815 68.008,34.815 68.008,37.846 67.31,38.544

## Silkscreen, mask and mechanical layers (free items; w line width, h text height)
Top Overlay:
  text "GND" at 22.727,3.997 h0.8 r90
  text "SWCLK" at 20.13,3.848 h0.8 r90
  text "SWDIO" at 17.409,3.81 h0.8 r90

## Dimensions
85,45 to 85,0 on Mechanical 10
0,45 to 85,45 on Mechanical 10